# Allegro board ZDRK-36-DE3-A02-20190729.brd (continued)
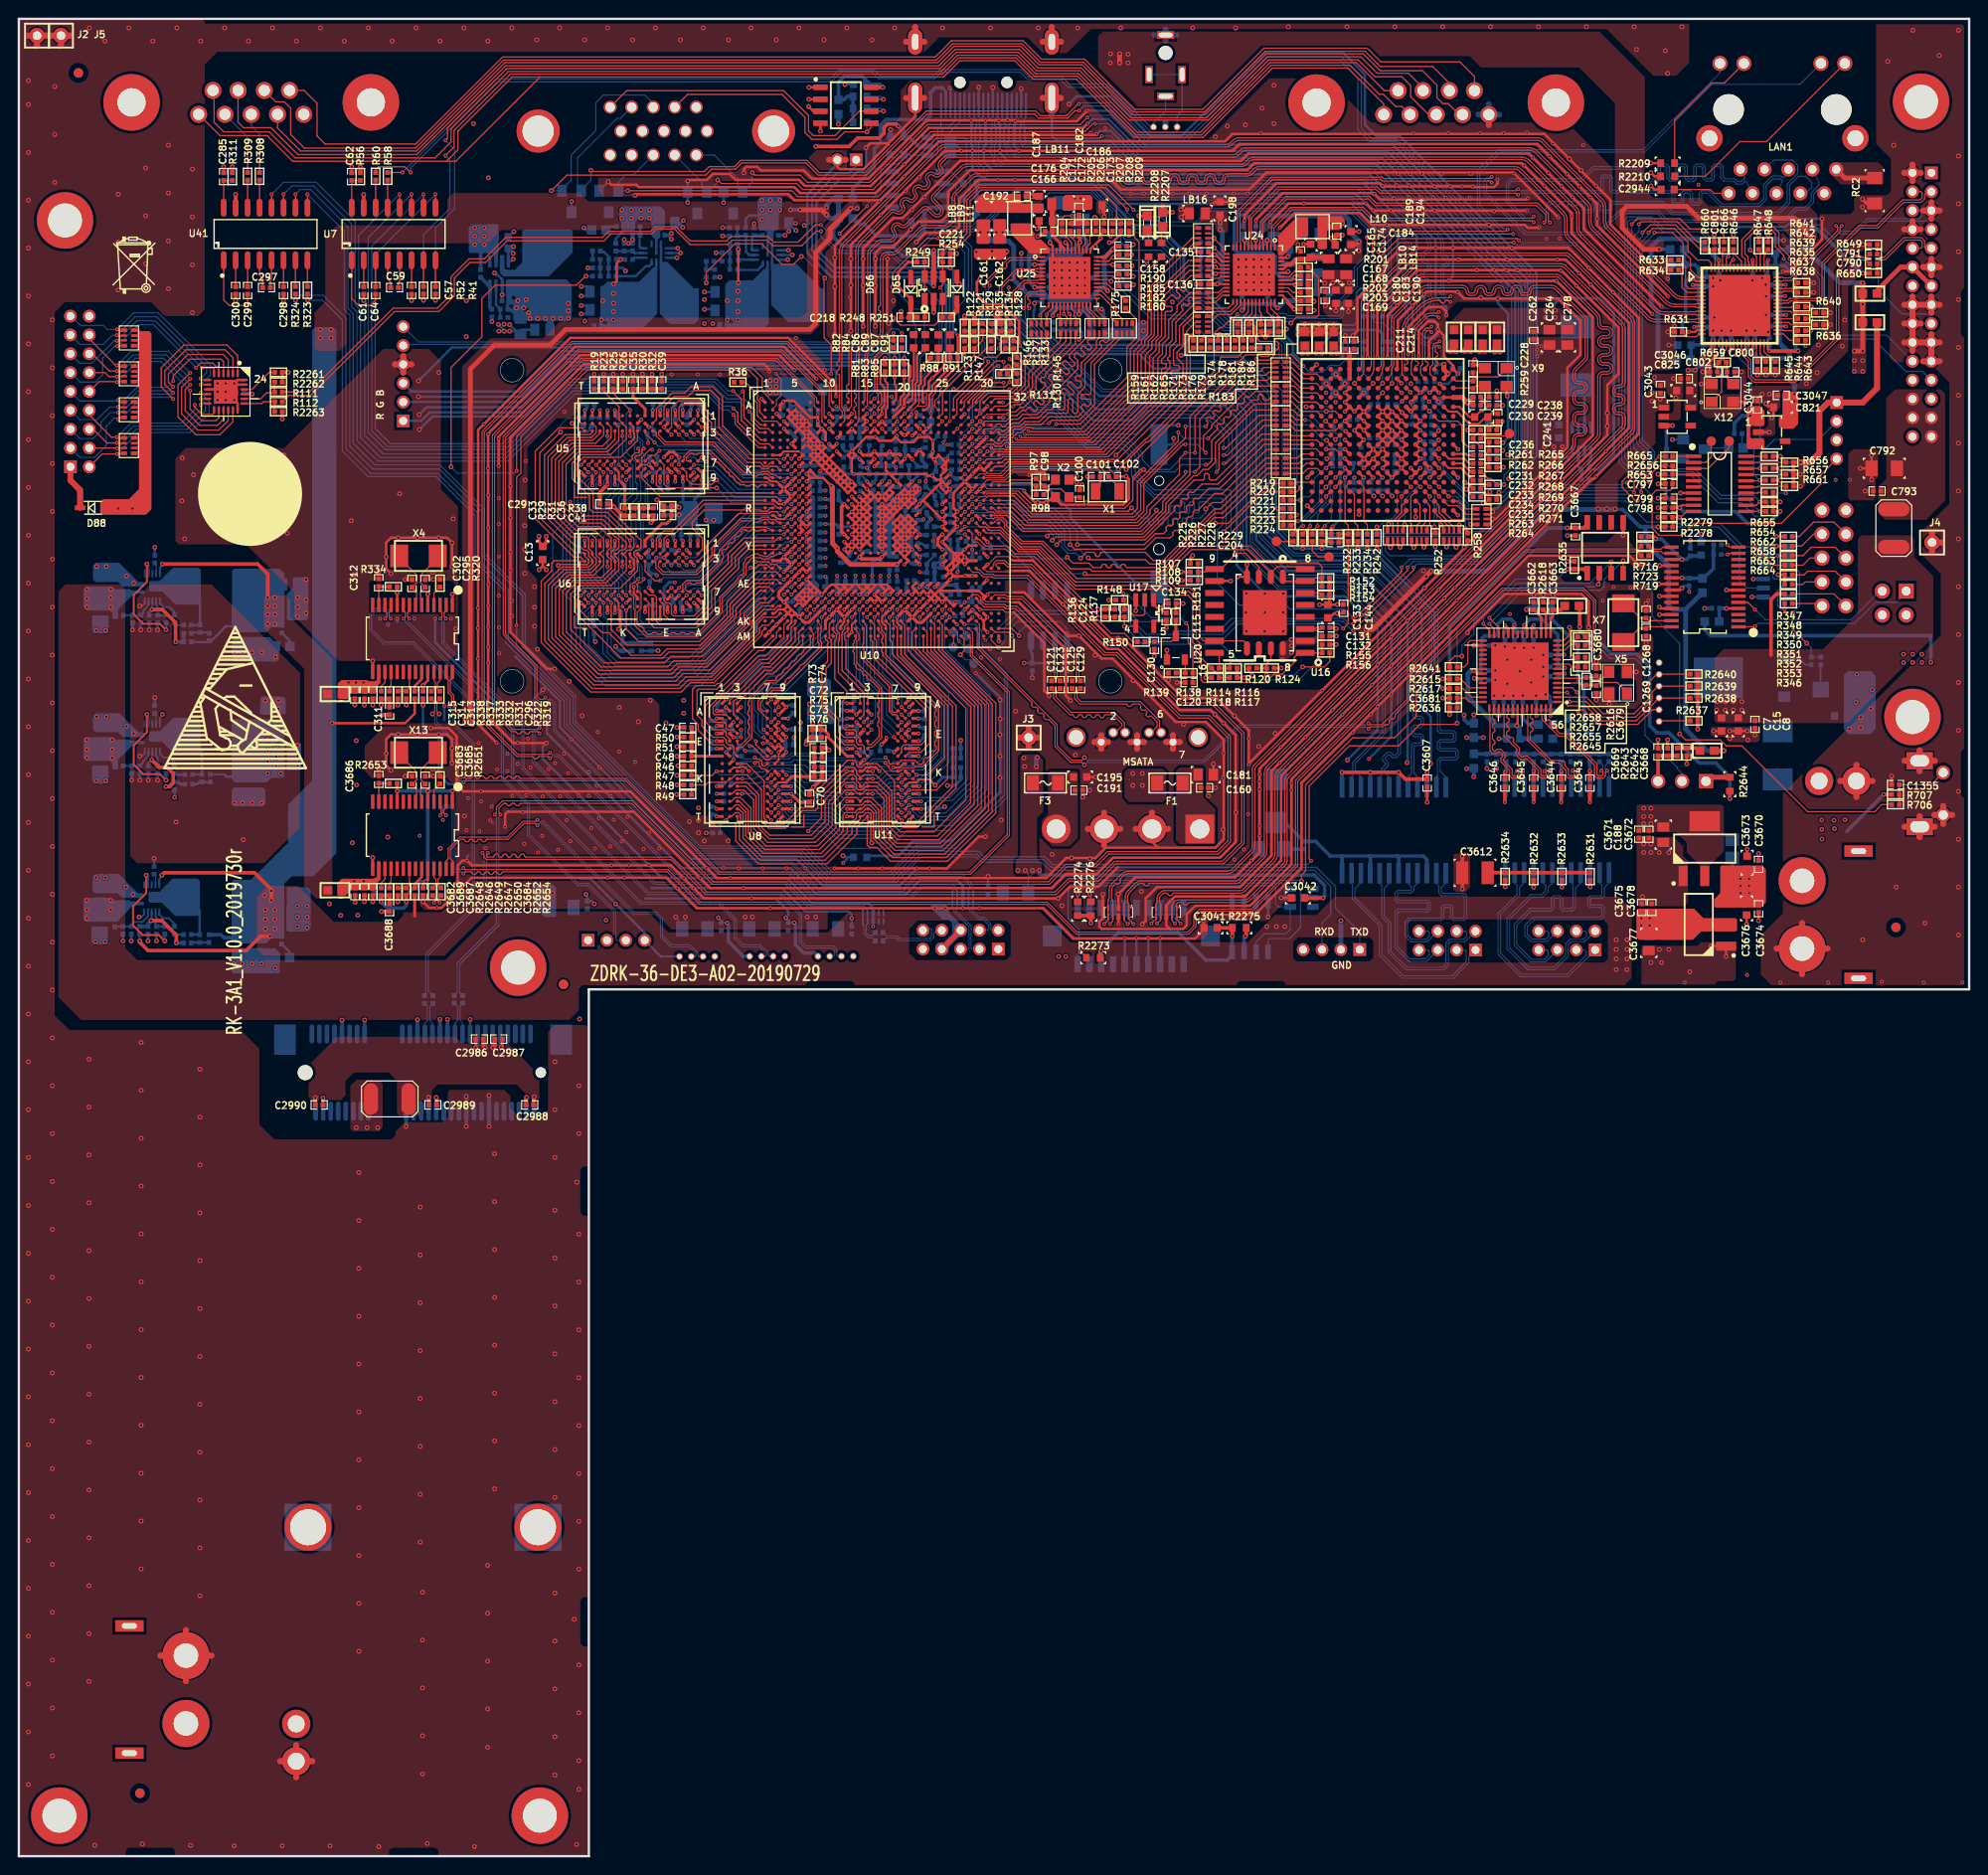
[diagram p0: board, top side]
## Routing (per net, layer and track width the routed paths; a pad name or vN(x,y) marks a point on that pad's centre or on a via; arc(x,y) is an arc through that point) (continued)
HDMI_B_TXC+: length 132.1
  TOP w0.114: U32.B9 145.6,157.16 arc(145.68,157.28) 145.71,157.43 145.71,157.84 arc(145.72,157.89) 145.75,157.93 145.83,158.01 arc(145.91,158.14) 145.94,158.29 145.94,162.88 arc(146,163.17) 146.17,163.42 149.02,166.27 arc(149.21,166.4) 149.44,166.45 153.26,166.45 arc(153.5,166.35) 153.6,166.1 arc(153.74,165.77) 154.07,165.63 154.35,165.63 arc(154.68,165.77) 154.82,166.1 arc(155.16,166.45) 155.51,166.1 arc(155.64,165.77) 155.98,165.63 156.23,165.63 arc(156.56,165.77) 156.7,166.1 arc(157.06,166.46) 157.41,166.1 arc(157.55,165.77) 157.88,165.63 158.14,165.63 arc(158.47,165.77) 158.6,166.1 arc(158.96,166.46) 159.32,166.1 arc(159.45,165.79) 159.76,165.66 160.09,165.66 arc(160.41,165.79) 160.54,166.1 arc(160.64,166.35) 160.88,166.45 162.71,166.45 arc(162.9,166.41) 163.06,166.3 163.06,166.3 166.22,163.14 arc(166.25,163.1) 166.26,163.06 166.26,159.18 arc(166.22,159.03) 166.14,158.9 165.16,157.93 arc(164.99,157.67) 164.93,157.37 164.93,156.85 arc(165.11,156.42) 165.54,156.24 165.89,156.24 arc(166.23,155.9) 165.89,155.55 165.54,155.55 arc(165.11,155.38) 164.93,154.94 164.93,154.6 arc(165.11,154.17) 165.54,153.99 165.89,153.99 arc(166.23,153.65) 165.89,153.31 165.54,153.31 arc(165.11,153.13) 164.93,152.7 164.93,152.31 arc(165.11,151.88) 165.54,151.7 165.84,151.7 arc(166.18,151.35) 165.84,151.01 165.54,151.01 arc(165.11,150.83) 164.93,150.4 164.93,149.77 arc(164.91,149.63) 164.82,149.5 164.74,149.42 164.74,149.42 147.96,132.64 131.11,115.78 arc(130.97,115.58) 130.92,115.35 130.92,107.19 arc(130.87,106.91) 130.71,106.68 128.82,104.79 arc(128.52,104.59) 128.17,104.52 117.74,104.52 arc(117.36,104.44) 117.03,104.23 116.02,103.22 arc(115.81,102.89) 115.73,102.51 115.73,101.67 arc(115.72,101.61) 115.68,101.55 115.66,101.53 arc(115.63,101.48) 115.61,101.41 U110.4 U110.5 115.61,99.42 arc(115.6,99.35) 115.56,99.28 v1(115.2,98.93)
  BOTTOM w0.114: v1(115.2,98.93) 115.34,99.07 arc(115.37,99.1) 115.37,99.15 115.37,99.31 arc(115.36,99.38) 115.33,99.43 115,99.75 arc(114.91,99.89) 114.88,100.05 J130.15
HDMI_B_TXC-: length 132.2
  TOP w0.114: v1(115.81,98.93) 116.04,99.15 arc(116.09,99.24) 116.11,99.34 U110.6 U110.3 116.11,101.37 arc(116.1,101.43) 116.06,101.49 116.05,101.5 arc(116.01,101.56) 116,101.63 116,102.51 arc(116.05,102.79) 116.21,103.03 116.38,103.2 arc(116.48,103.24) 116.57,103.2 arc(116.67,103.16) 116.76,103.2 116.9,103.33 arc(116.94,103.43) 116.9,103.52 arc(116.86,103.62) 116.9,103.71 117.22,104.04 arc(117.46,104.2) 117.74,104.25 128.17,104.25 arc(128.63,104.34) 129.01,104.6 130.9,106.49 arc(131.12,106.81) 131.19,107.19 131.19,115.35 arc(131.22,115.48) 131.29,115.6 165.01,149.31 arc(165.15,149.52) 165.2,149.77 165.2,150.4 arc(165.3,150.64) 165.54,150.74 165.84,150.74 arc(166.45,151.35) 165.84,151.96 165.54,151.96 arc(165.3,152.06) 165.2,152.31 165.2,152.7 arc(165.3,152.94) 165.54,153.04 165.89,153.04 arc(166.5,153.65) 165.89,154.26 165.54,154.26 arc(165.3,154.36) 165.2,154.6 165.2,154.94 arc(165.3,155.19) 165.54,155.29 165.89,155.29 arc(166.5,155.9) 165.89,156.51 165.54,156.51 arc(165.3,156.61) 165.2,156.85 165.2,157.37 arc(165.24,157.57) 165.35,157.74 166.33,158.71 arc(166.47,158.93) 166.52,159.18 166.52,163.06 arc(166.49,163.2) 166.41,163.33 163.25,166.49 arc(163,166.65) 162.71,166.71 160.88,166.71 arc(160.45,166.53) 160.27,166.1 arc(160.22,165.98) 160.09,165.93 159.76,165.93 arc(159.63,165.98) 159.58,166.1 arc(158.96,166.73) 158.34,166.1 arc(158.28,165.96) 158.14,165.9 157.88,165.9 arc(157.74,165.96) 157.68,166.1 arc(157.06,166.73) 156.43,166.1 arc(156.37,165.96) 156.23,165.9 155.98,165.9 arc(155.83,165.96) 155.77,166.1 arc(155.16,166.71) 154.55,166.1 arc(154.49,165.96) 154.35,165.9 154.07,165.9 arc(153.93,165.96) 153.87,166.1 arc(153.69,166.53) 153.26,166.71 149.44,166.71 arc(149.11,166.65) 148.83,166.46 145.98,163.61 arc(145.75,163.27) 145.68,162.88 145.68,158.29 arc(145.67,158.24) 145.64,158.2 U32.A9
  BOTTOM w0.114: v1(115.81,98.93) 115.67,99.07 arc(115.65,99.1) 115.64,99.15 115.64,99.31 arc(115.65,99.36) 115.67,99.39 116.06,99.78 arc(116.11,99.86) 116.13,99.96 J130.13
HDMI_TX0N: length 123.1
  TOP w0.114: U10.D13 89.02,152.1 arc(89.12,152.25) 89.15,152.43 89.15,159.27 arc(89.26,159.79) 89.55,160.23 89.99,160.66 arc(90.26,161.07) 90.35,161.55 90.36,161.56 90.36,170.08 arc(90.4,170.25) 90.49,170.4 91.24,171.15 arc(91.4,171.26) 91.59,171.3 92.38,171.3 arc(92.68,171.36) 92.94,171.53 92.97,171.56 arc(93.17,172.04) 92.97,172.52 arc(92.88,172.72) 92.97,172.93 93.05,173.01 arc(93.25,173.09) 93.45,173.01 93.45,173.01 arc(93.89,172.83) 94.32,173.01 96.04,174.73 arc(96.25,174.82) 96.46,174.73 97.03,174.15 arc(97.48,173.97) 97.92,174.15 arc(98.11,174.61) 97.92,175.08 97.21,175.78 arc(97.13,175.98) 97.21,176.18 100.12,179.09 arc(100.38,179.26) 100.69,179.32 129.77,179.32 arc(130.07,179.38) 130.33,179.56 130.66,179.88 arc(130.85,180.01) 131.08,180.06 159.44,180.06 arc(159.84,179.98) 160.18,179.76 165.23,174.7 arc(165.32,174.56) 165.35,174.41 165.35,172.75 arc(165.43,172.35) 165.66,172 173.62,164.05 arc(174.08,163.74) 174.62,163.63 177.97,163.63 178.04,163.57 U66.11
HDMI_TX0P: length 123
  TOP w0.114: U10.C13 88.81,153.19 arc(88.8,153.27) 88.75,153.33 88.65,153.44 arc(88.62,153.48) 88.61,153.52 88.61,153.63 arc(88.63,153.69) 88.66,153.75 88.85,153.94 arc(88.88,153.98) 88.89,154.02 88.89,154.14 arc(88.88,154.19) 88.85,154.22 88.76,154.32 arc(88.7,154.4) 88.68,154.5 arc(88.7,154.6) 88.76,154.68 88.85,154.78 arc(88.88,154.81) 88.89,154.86 88.89,155.06 arc(88.88,155.1) 88.85,155.14 88.76,155.23 arc(88.7,155.32) 88.68,155.41 arc(88.7,155.51) 88.76,155.59 88.85,155.69 arc(88.88,155.73) 88.89,155.77 88.89,159.27 arc(89.01,159.89) 89.36,160.42 89.79,160.85 89.8,160.85 arc(90.02,161.17) 90.09,161.55 90.09,161.56 90.09,161.66 90.09,161.67 90.09,170.08 arc(90.15,170.36) 90.31,170.59 91.06,171.34 arc(91.3,171.51) 91.59,171.56 92.38,171.56 arc(92.58,171.6) 92.75,171.72 92.78,171.75 arc(92.9,172.04) 92.78,172.33 92.78,172.33 arc(92.62,172.72) 92.78,173.12 92.86,173.19 arc(93.25,173.36) 93.64,173.19 arc(93.89,173.09) 94.13,173.19 95.85,174.92 arc(96.25,175.08) 96.65,174.92 97.22,174.34 arc(97.48,174.24) 97.73,174.34 arc(97.84,174.61) 97.73,174.89 97.03,175.59 arc(96.86,175.98) 97.03,176.37 99.93,179.28 arc(100.28,179.51) 100.69,179.59 129.77,179.59 arc(129.97,179.63) 130.14,179.75 130.47,180.07 arc(130.75,180.26) 131.08,180.33 159.44,180.33 arc(159.94,180.23) 160.36,179.95 165.42,174.89 arc(165.57,174.67) 165.62,174.41 165.62,172.75 arc(165.68,172.45) 165.85,172.19 173.81,164.24 arc(174.18,163.99) 174.62,163.9 177.97,163.9 178.04,163.97 U66.10
HDMI_TX1N: length 123
  TOP w0.114: U66.9 178.04,164.37 177.97,164.43 175.78,164.43 arc(175.19,164.55) 174.68,164.89 166.99,172.58 arc(166.71,173) 166.61,173.5 166.61,174.77 arc(166.55,175.09) 166.36,175.37 160.89,180.84 arc(160.67,180.99) 160.41,181.04 130.27,181.04 arc(130.01,180.99) 129.78,180.84 129.5,180.56 arc(129.22,180.37) 128.89,180.3 98.83,180.3 arc(98.56,180.25) 98.34,180.1 97.95,179.71 arc(97.85,179.47) 97.94,179.23 arc(98.1,178.86) 97.95,178.49 97.82,178.37 arc(97.45,178.21) 97.08,178.36 arc(96.6,178.36) 96.6,177.87 arc(96.74,177.53) 96.6,177.19 96.42,177.01 arc(96.08,176.87) 95.73,177.01 arc(95.25,177.01) 95.25,176.53 arc(95.39,176.2) 95.25,175.87 95.04,175.66 arc(94.72,175.52) 94.39,175.66 94.39,175.66 arc(93.9,175.66) 93.9,175.18 arc(94.03,174.88) 93.9,174.57 93.72,174.4 arc(93.51,174.28) 93.26,174.3 92.84,174.46 arc(92.82,174.46) 92.8,174.47 92.8,174.47 arc(92.71,174.45) 92.64,174.4 89.43,171.2 89.43,171.2 arc(89.18,170.82) 89.09,170.37 89.09,161.47 arc(89,161.04) 88.75,160.67 88.75,160.66 88.49,160.41 arc(88.4,160.27) 88.37,160.11 88.37,154.43 arc(88.37,154.4) 88.37,154.38 arc(88.36,154.38) 88.36,154.38 88.37,153.96 arc(88.35,153.85) 88.29,153.77 U10.B12
HDMI_TX1P: length 123.1
  TOP w0.114: U10.A12 88.07,154.34 arc(88.09,154.38) 88.1,154.43 88.1,154.65 arc(88.1,154.65) 88.1,154.66 arc(88.06,154.74) 87.98,154.77 87.97,154.77 arc(87.89,154.8) 87.86,154.88 87.86,155.11 arc(87.89,155.19) 87.97,155.23 87.98,155.23 arc(88.07,155.26) 88.1,155.34 88.1,155.57 arc(88.07,155.65) 87.98,155.68 87.97,155.68 arc(87.89,155.72) 87.86,155.8 87.86,156.03 arc(87.89,156.11) 87.97,156.14 87.98,156.14 arc(88.07,156.17) 88.1,156.25 88.1,160.11 arc(88.15,160.38) 88.3,160.6 88.57,160.86 88.57,160.86 arc(88.76,161.14) 88.82,161.47 88.82,170.37 arc(88.93,170.92) 89.25,171.38 92.45,174.59 arc(92.61,174.7) 92.8,174.73 92.8,174.73 arc(92.87,174.73) 92.93,174.71 93.36,174.55 arc(93.45,174.54) 93.54,174.58 93.71,174.76 arc(93.76,174.88) 93.71,174.99 arc(93.71,175.85) 94.58,175.85 94.58,175.85 arc(94.72,175.79) 94.85,175.85 95.06,176.06 arc(95.12,176.2) 95.06,176.34 arc(95.06,177.2) 95.92,177.2 96.18,177.2 arc(96.23,177.21) 96.26,177.23 96.41,177.38 arc(96.47,177.53) 96.41,177.69 arc(96.41,178.55) 97.27,178.55 arc(97.45,178.48) 97.63,178.55 97.63,178.55 97.76,178.68 arc(97.83,178.86) 97.75,179.04 97.75,179.04 arc(97.58,179.47) 97.76,179.9 98.15,180.29 arc(98.46,180.5) 98.83,180.57 128.89,180.57 arc(129.12,180.61) 129.31,180.74 129.59,181.03 arc(129.9,181.23) 130.27,181.31 160.41,181.31 arc(160.77,181.23) 161.08,181.03 166.55,175.56 arc(166.79,175.2) 166.88,174.77 166.88,173.5 arc(166.96,173.1) 167.18,172.77 174.87,165.08 arc(175.29,164.8) 175.78,164.7 177.97,164.7 178.04,164.77 U66.8
HDMI_TX2N: length 123.1
  TOP w0.114: U66.7 178.04,165.17 177.97,165.23 176.53,165.23 arc(176.04,165.33) 175.61,165.62 168.49,172.74 arc(168.25,173.09) 168.17,173.5 168.17,175.07 arc(168.11,175.37) 167.94,175.62 161.65,181.91 arc(161.45,182.05) 161.22,182.09 129.54,182.09 arc(129.23,182.03) 128.98,181.86 128.82,181.7 arc(128.48,181.47) 128.08,181.39 98.39,181.39 arc(98.08,181.33) 97.82,181.16 87.67,171.01 arc(87.43,170.65) 87.35,170.24 87.35,153.79 arc(87.36,153.75) 87.38,153.71 87.57,153.53 arc(87.63,153.43) 87.66,153.32 87.66,152.41 arc(87.64,152.34) 87.6,152.28 U10.D11
HDMI_TX2P: length 123.3
  TOP w0.114: U66.6 178.04,165.57 177.97,165.5 176.53,165.5 arc(176.14,165.58) 175.8,165.8 168.68,172.93 arc(168.5,173.19) 168.44,173.5 168.44,175.07 arc(168.36,175.47) 168.13,175.81 161.84,182.1 arc(161.55,182.29) 161.22,182.36 129.54,182.36 arc(129.13,182.28) 128.79,182.05 128.63,181.89 arc(128.38,181.72) 128.08,181.66 98.39,181.66 arc(97.98,181.58) 97.63,181.35 87.48,171.19 arc(87.19,170.76) 87.08,170.24 87.08,158.77 arc(87.05,158.69) 86.97,158.65 arc(86.86,158.61) 86.82,158.5 86.82,158.35 arc(86.86,158.24) 86.97,158.2 arc(87.05,158.16) 87.08,158.08 87.08,157.85 arc(87.05,157.77) 86.97,157.74 arc(86.86,157.69) 86.82,157.59 86.82,157.43 arc(86.86,157.33) 86.97,157.28 arc(87.05,157.25) 87.08,157.17 87.08,153.71 arc(87.1,153.64) 87.14,153.58 87.36,153.36 arc(87.38,153.33) 87.39,153.28 87.39,152.92 arc(87.38,152.87) 87.36,152.83 U10.C11
HDMI_TXCN: length 123.2
  TOP w0.114: U66.13 178.04,162.77 177.97,162.83 173.69,162.83 arc(173.22,162.93) 172.83,163.19 164.4,171.62 arc(164.16,171.98) 164.07,172.41 164.07,173.65 arc(164,174.03) 163.78,174.34 159.32,178.81 arc(159.06,178.98) 158.76,179.04 131.64,179.04 arc(131.44,179) 131.27,178.89 130.93,178.56 arc(130.66,178.37) 130.33,178.31 128.36,178.31 arc(128.11,178.21) 128.01,177.97 128.01,177.86 arc(127.88,177.55) 127.57,177.42 127.34,177.42 arc(126.95,177.58) 126.79,177.97 arc(126.45,178.31) 126.11,177.97 126.11,177.86 arc(125.98,177.55) 125.66,177.42 125.43,177.42 arc(125.05,177.58) 124.89,177.97 arc(124.55,178.31) 124.2,177.97 124.2,177.86 arc(124.07,177.55) 123.76,177.42 123.53,177.42 arc(123.14,177.58) 122.98,177.97 arc(122.64,178.31) 122.3,177.97 122.3,177.86 arc(122.17,177.55) 121.85,177.42 121.62,177.42 arc(121.24,177.58) 121.08,177.97 arc(120.74,178.31) 120.39,177.97 120.39,177.86 arc(120.26,177.55) 119.95,177.42 119.72,177.42 arc(119.33,177.58) 119.17,177.97 arc(118.83,178.31) 118.49,177.97 118.49,177.86 arc(118.36,177.55) 118.04,177.42 117.75,177.42 arc(117.41,177.56) 117.27,177.9 117.27,177.97 arc(117.17,178.21) 116.93,178.31 101.7,178.31 arc(101.47,178.26) 101.27,178.13 99.48,176.34 arc(99.36,176.16) 99.31,175.94 99.31,173.84 arc(99.26,173.58) 99.11,173.36 98.85,173.1 arc(98.53,172.88) 98.16,172.81 96.2,172.81 arc(95.97,172.76) 95.77,172.63 93.37,170.23 arc(93.07,170.03) 92.72,169.96 92.13,169.96 arc(92.02,169.94) 91.92,169.87 91.87,169.83 arc(91.75,169.65) 91.71,169.45 91.71,161.85 91.71,161.84 arc(91.58,161.23) 91.24,160.71 90.39,159.85 arc(90.14,159.49) 90.06,159.06 90.07,159.06 90.07,154.06 arc(90.04,153.95) 89.99,153.86 U10.B14
HDMI_TXCP: length 123.2
  TOP w0.114: U66.12 178.04,163.17 177.97,163.1 173.69,163.1 arc(173.32,163.17) 173.02,163.38 164.59,171.81 arc(164.4,172.08) 164.34,172.41 164.34,173.65 arc(164.24,174.13) 163.97,174.53 159.5,179 arc(159.16,179.23) 158.76,179.31 131.64,179.31 arc(131.33,179.25) 131.08,179.08 130.74,178.74 arc(130.55,178.62) 130.33,178.57 128.36,178.57 arc(127.92,178.4) 127.75,177.97 127.75,177.86 arc(127.69,177.74) 127.57,177.69 127.34,177.69 arc(127.14,177.77) 127.06,177.97 arc(126.45,178.57) 125.84,177.97 125.84,177.86 arc(125.79,177.74) 125.66,177.69 125.43,177.69 arc(125.24,177.77) 125.15,177.97 arc(124.55,178.57) 123.94,177.97 123.94,177.86 arc(123.88,177.74) 123.76,177.69 123.53,177.69 arc(123.33,177.77) 123.25,177.97 arc(122.64,178.57) 122.03,177.97 122.03,177.86 arc(121.98,177.74) 121.85,177.69 121.62,177.69 arc(121.43,177.77) 121.34,177.97 arc(120.74,178.57) 120.13,177.97 120.13,177.86 arc(120.07,177.74) 119.95,177.69 119.72,177.69 arc(119.52,177.77) 119.44,177.97 arc(118.83,178.57) 118.22,177.97 118.22,177.86 arc(118.17,177.74) 118.04,177.69 117.75,177.69 arc(117.6,177.75) 117.53,177.9 117.53,177.97 arc(117.36,178.4) 116.93,178.57 101.7,178.57 arc(101.36,178.51) 101.08,178.32 99.29,176.53 arc(99.11,176.26) 99.05,175.94 99.05,173.84 arc(99.02,173.68) 98.92,173.55 98.66,173.28 arc(98.43,173.13) 98.16,173.08 96.2,173.08 arc(95.87,173.01) 95.58,172.82 93.18,170.42 arc(92.97,170.28) 92.72,170.23 92.13,170.23 arc(91.91,170.19) 91.73,170.06 91.68,170.02 arc(91.51,169.76) 91.45,169.45 91.45,164.61 arc(91.41,164.53) 91.33,164.5 arc(91.25,164.47) 91.22,164.38 91.22,164.16 arc(91.25,164.08) 91.33,164.04 arc(91.41,164.01) 91.45,163.93 91.45,163.7 arc(91.41,163.62) 91.33,163.58 arc(91.25,163.55) 91.22,163.47 91.22,163.24 arc(91.25,163.16) 91.33,163.13 arc(91.41,163.09) 91.45,163.01 91.45,161.96 91.44,161.95 91.44,161.85 91.45,161.84 arc(91.34,161.33) 91.05,160.89 90.2,160.04 arc(89.9,159.59) 89.8,159.06 89.8,154.53 arc(89.79,154.48) 89.76,154.44 U10.A14
HDMITX_CEC: length 26.3
  TOP w0.127: U33.3 98.05,163.33 R251.2 97.21,162.48 93.6,162.48 92.84,163.25 v2(92.79,163.25) ; U10.D15 v1(90.81,152.29)
  BOTTOM w0.127: v2(92.79,163.25) 94.44,163.25 95.2,162.48 95.2,157.1 94.31,156.21 90.58,156.21 89.66,155.3 89.66,154.03 90.4,153.29 90.4,152.71 v1(90.81,152.29)
HDMITX_HOTPLUG: length 176.2
  TOP w0.127: v1(97.79,166.47) 98.04,166.73 98.04,167.66 U33.4 98.05,169.18 R254.1 C221.1 98.04,170.26 98.43,170.64 99.54,170.64 100.97,172.06 100.97,175.67 102.13,176.83 114.83,176.83 116.51,175.16 116.51,174.07 116.54,174.04 v1(116.54,173.86) ; v1(170.69,145.77) 172.21,147.29 v1(172.97,147.29) 172.97,147.42 v1(174.12,148.56) R665.1 ; R666.1 180.98,172.06 180.34,172.69 177.39,172.69 176.3,173.79 171.78,173.79 v1(171.2,173.2) ; U10.A15 v1(90.81,154.69)
  BOTTOM w0.127: v1(116.54,173.86) 116.69,173.86 118.24,172.31 120.37,172.31 122.86,169.82 122.86,166.12 123.88,165.1 125.7,165.1 128.32,162.48 131.09,162.48 131.83,161.75 133.12,161.75 134.39,160.48 134.39,159 134.98,158.42 134.98,141.05 135.66,140.36 153.95,140.36 154.18,140.59 156.18,140.59 161.14,145.54 170.18,145.54 170.41,145.77 v1(170.69,145.77) ; Q20.1 175.11,148.31 R2562.2 174.14,148.54 v1(174.12,148.56) ; v1(90.81,154.69) 91.54,155.42 94.72,155.42 97.66,158.37 97.66,159.59 97.99,159.92 97.99,166.27 v1(97.79,166.47) ; v1(171.2,173.2) 171.2,172.24 171.07,172.11 171.07,149.07 172.85,147.29 v1(172.97,147.29)
HDMITX_REXT: length 2.5
  TOP w0.305: U10.E14 v1(90.01,151.49)
  BOTTOM w0.381: R399.2 R398.2 89.89,151.61 v1(90.01,151.49)
HDMITX_SCL: length 185.5
  TOP w0.114: U33.1 96.15,164.2 v2(96.14,164.19) ; v2(92.74,166.52) 92.74,168.05 96.39,171.7 v1(97.54,171.7)
  TOP w0.127: U66.59 181.64,169.09 v1(181.97,169.42) ; R248.1 96.15,163.33 96.15,164.2 ; v1(172.21,146.66) 171.45,145.9 v1(171.45,144.75) ; U10.C15 v1(90.81,153.09)
  BOTTOM w0.127: v1(172.21,146.66) 170.46,148.41 170.46,173.63 170.79,173.96 173.35,173.96 174.62,172.69 178.64,172.69 180.9,170.43 181.64,170.43 181.97,170.1 v1(181.97,169.42) ; v1(90.81,153.09) 90.81,153.26 90.04,154.03 90.04,155.17 90.81,155.93 94.44,155.93 95.63,157.12 95.63,159 96.14,159.51 v2(96.14,164.19) 95.07,164.19 v2(92.74,166.52) ; v1(171.45,144.75) 171.3,144.91 161.57,144.91 154.69,138.02 145.52,138.02 145.03,138.51 145.03,139.22 144.5,139.75 135.41,139.75 134.38,140.78 134.38,157.98 133.78,158.57 133.78,160.1 133.43,160.45 131.65,160.45 131.24,160.86 131.24,161.47 130.81,161.9 127.91,161.9 125.32,164.49 123.6,164.49 122.15,165.94 122.15,169.52 121.23,170.43 117.81,170.43 116.97,171.27 116.97,172.49 115.77,173.69 115.77,174.47 113.72,176.53 109.35,176.53 108.38,175.56 105.21,175.56 102.67,173.02 102.01,173.02 101.4,172.42 98.07,172.42 97.54,171.88 v1(97.54,171.7)
HDMITX_SDA: length 178.5
  TOP w0.127: v1(172.21,144.75) 172.21,145.77 v1(172.85,146.41) ; U10.B15 v1(90.81,153.89) ; v1(181.43,169.8) 181.24,169.6 U66.60 ; v1(96.14,170.41) R249.1 96.14,167.69 U33.6 96.14,167.66 96.14,166.55 v1(96.24,166.45)
  BOTTOM w0.127: v1(172.85,146.41) 172.85,146.66 170.76,148.74 170.76,173.46 170.97,173.66 173.23,173.66 174.5,172.39 178.51,172.39 181.1,169.8 v1(181.43,169.8) ; v1(96.24,166.45) 97.69,165 97.69,160.15 97.28,159.74 97.28,158.39 94.56,155.68 91.06,155.68 90.33,154.95 90.33,154.37 v1(90.81,153.89) ; v1(172.21,144.75) 171.75,145.21 161.29,145.21 155.04,138.96 154.58,138.96 153.49,140.06 135.53,140.06 134.7,140.89 134.7,158.14 134.06,158.78 134.06,160.3 133.62,160.74 131.77,160.74 131.53,160.98 131.53,161.61 130.93,162.21 128.11,162.21 125.54,164.78 123.72,164.78 122.48,166.01 122.48,169.7 120.62,171.55 117.47,171.55 117.22,171.81 117.22,172.62 116.08,173.76 116.08,174.53 113.8,176.81 106.09,176.81 102.59,173.3 101.88,173.3 101.24,172.67 97.87,172.67 96.14,170.94 v1(96.14,170.41)
I2C_SCL: length 47.3
  TOP w0.127: R220.1 132.13,144.81 v2(127.89,140.56) ; R130.2 105.92,156.21 105.38,155.68 v1(105.16,155.68) 105.03,155.55 102.69,155.55 101.61,154.47 U10.A29
  TOP w0.254: R221.1 R220.1
  BOTTOM w0.127: v1(105.16,155.68) 107.57,153.26 109.86,153.26 113.31,149.81 117.37,149.81 118.49,148.69 118.49,146.56 120.55,144.5 128.02,144.5 128.14,144.37 128.14,140.82 v2(127.89,140.56)
I2C_SDA: length 50.5
  TOP w0.127: U10.B28 101.24,153.92 101.24,154.53 102.65,155.93 104.65,155.93 v1(105.16,156.44) 105.16,157.1 R131.2 ; R223.1 130.35,142.14 v2(127.89,139.67)
  TOP w0.254: R223.1 R224.1
  BOTTOM w0.127: v2(127.89,139.67) 128.65,140.44 128.65,144.88 128.52,145.01 120.47,145.01 118.87,146.61 118.87,148.82 117.51,150.18 113.45,150.18 110.11,153.52 107.75,153.52 105.97,155.3 105.97,155.78 105.31,156.44 v1(105.16,156.44)
I2S0_SD_RX/I2S2_MCLK: length 46.5
  TOP w0.127: RN75.5 131.03,153.48 127.38,149.83 127.38,147.17 v1(127.13,146.91) ; U10.D28 v1(101.21,152.29)
  BOTTOM w0.127: v1(101.21,152.29) 101.21,153.76 104.34,156.9 105.56,156.9 106.4,156.06 106.4,155.42 108.05,153.77 110.36,153.77 113.59,150.55 117.65,150.55 119.25,148.95 119.25,148.18 120.27,147.17 122.17,147.17 123.32,148.31 127,148.31 127.13,148.18 v1(127.13,146.91)
IO1: length 31.4
  TOP w0.127: v1(10.54,152.5) 10.54,152.56 10.67,152.69 RN80.4 ; v1(16.38,154.66) 15.11,155.93 15.11,157.96 17.53,160.38 22.1,160.38 23.22,159.25 U103.1
  BOTTOM w0.127: v1(16.38,154.66) 16.21,154.84 13.13,154.84 10.92,152.63 10.67,152.63 v1(10.54,152.5) 10.41,152.63 10.13,152.63 9.27,151.76 9.27,149.71 8.01,148.45 6.48,148.45 J127.3
IO2: length 27.4
  TOP w0.127: RN80.3 10.59,153.26 v1(10.54,153.21) ; v1(16.38,155.3) 15.49,156.18 15.49,157.64 17.73,159.88 21.89,159.88 22.72,159.05 U103.2
  BOTTOM w0.127: J127.5 6.48,150.45 7.85,150.45 8.74,151.33 8.74,152.22 9.73,153.21 v1(10.54,153.21) 10.59,153.26 10.92,153.26 12.83,155.17 16.26,155.17 v1(16.38,155.3)
IO3: length 23.9
  TOP w0.127: U103.3 22.22,158.84 21.68,159.38 17.94,159.38 15.88,157.31 15.88,156.44 v1(16.38,155.93) ; v1(10.54,153.8) 10.58,153.76 RN80.2
  BOTTOM w0.127: v1(16.38,155.93) 15.98,155.52 12.67,155.52 10.95,153.8 v1(10.54,153.8) 9.63,153.8 8.28,152.45 6.48,152.45 J127.7
IO4: length 20.9
  TOP w0.127: U103.4 21.72,158.63 21.48,158.88 18.15,158.88 16.38,157.11 v1(16.38,156.57) ; v1(10.54,154.53) 10.74,154.33 RN80.1
  BOTTOM w0.127: v1(16.38,156.57) 15.7,155.88 12.52,155.88 11.18,154.53 v1(10.54,154.53) 10.46,154.45 6.48,154.45 J127.9
IO5: length 23.4
  TOP w0.127: RN81.4 10.47,160.31 v1(10.41,160.25) ; U103.5 21.22,157.82 20.57,158.47 19.3,158.47 v1(18.8,157.96)
  BOTTOM w0.127: v1(18.8,157.96) 18.8,158.01 14.27,162.53 12.7,162.53 v1(10.41,160.25) 10.16,160.25 8.89,158.98 8.89,157.2 8.14,156.45 6.48,156.45 J127.11
IO6: length 20.9
  TOP w0.127: RN81.3 10.46,160.88 v1(10.41,160.83) ; v1(19.43,157.96) 20.59,157.96 20.72,157.84 U103.6
  BOTTOM w0.127: J127.13 6.48,158.45 7.72,158.45 10.11,160.83 v1(10.41,160.83) 12.53,162.95 14.45,162.95 v1(19.43,157.96)
IO7: length 21.4
  TOP w0.127: RN81.2 10.43,161.38 v1(10.39,161.42) ; U103.7 19.45,156.67 v1(19.3,156.82)
  BOTTOM w0.127: J127.15 6.48,160.45 8.96,160.45 9.91,161.39 10.36,161.39 v1(10.39,161.42) 12.35,163.38 14.62,163.38 19.94,158.06 19.94,157.45 v1(19.3,156.82)
IO8: length 22.5
  TOP w0.127: RN81.1 10.49,161.95 v1(10.41,162.03) ; U103.8 v1(19.3,156.17)
  BOTTOM w0.127: J127.17 5.56,163.45 6.56,162.45 8.98,162.45 9.4,162.03 v1(10.41,162.03) 12.18,163.79 14.8,163.79 20.32,158.27 20.32,157.19 v1(19.3,156.17)
IO9: length 19.2
  TOP w0.127: U103.10 19.45,155.17 v1(19.3,155.32) ; RN82.4 10.47,148.88 v1(10.41,148.82) 8.85,148.82 J127.2
  BOTTOM w0.127: v1(19.3,155.32) 20.19,154.43 20.19,153.14 18.14,151.08 12.67,151.08 v1(10.41,148.82)
IO10: length 17
  TOP w0.127: U103.11 v1(19.32,154.67) ; J127.4 10.37,149.45 v1(10.41,149.4) 10.46,149.45 RN82.3
  BOTTOM w0.127: v1(19.32,154.67) 19.81,154.18 19.81,153.39 17.86,151.43 12.45,151.43 v1(10.41,149.4)
IO11: length 16
  TOP w0.127: U103.12 19.45,154.17 v1(19.3,154.03) ; J127.6 7.89,151.45 9.35,149.99 v1(10.39,149.99) 10.43,149.95 RN82.2
  BOTTOM w0.127: v1(19.3,154.03) 19.3,153.52 17.55,151.76 12.17,151.76 v1(10.39,149.99)
IO12: length 18.2
  TOP w0.127: v1(18.67,154.03) 18.67,153.77 19.43,153.01 20.57,153.01 20.72,153.16 U103.13 ; RN82.1 10.49,150.52 v1(10.41,150.6) 9.83,150.6 7.48,152.95 J127.8
  BOTTOM w0.127: v1(18.67,154.03) 18.67,153.52 17.25,152.1 11.91,152.1 v1(10.41,150.6)
IO13: length 20.6
  TOP w0.127: RN83.4 10.47,156.5 v1(10.41,156.44) 10.36,156.5 8.53,156.5 J127.10 ; U103.14 21.22,152.64 20.93,152.35 19.42,152.35 18.19,153.58 v1(18.19,155.52)
  BOTTOM w0.127: v1(18.19,155.52) 15.09,158.62 12.6,158.62 v1(10.41,156.44)
IO14: length 22.6
  TOP w0.127: v1(18.19,156.16) 17.65,155.63 17.65,153.41 19.21,151.85 21.06,151.85 21.72,152.51 U103.15 ; J127.12 9.15,157.45 9.58,157.02 v1(10.41,157.02) 10.46,157.07 RN83.3
  BOTTOM w0.127: v1(18.19,156.16) 15.37,158.98 12.37,158.98 v1(10.41,157.02)
IO15: length 25.3
  TOP w0.127: U103.16 22.22,152.37 21.2,151.35 19.01,151.35 17.27,153.08 17.27,155.88 v1(18.19,156.79) ; RN83.2 10.43,157.57 v1(10.39,157.61) 9.63,157.61 7.79,159.45 J127.14
  BOTTOM w0.127: v1(10.39,157.61) 12.12,159.33 15.65,159.33 v1(18.19,156.79)
IO16: length 28.3
  TOP w0.127: RN83.1 10.49,158.14 v1(10.41,158.22) 10.29,158.22 7.48,161.03 J127.16 ; v1(18.19,157.43) 16.89,156.13 16.89,152.76 18.8,150.85 21.33,150.85 22.72,152.24 U103.17
  BOTTOM w0.127: v1(18.19,157.43) 15.9,159.72 11.91,159.72 v1(10.41,158.22)
JTAG_EN: length 4.6
  TOP w0.127: U10.AK25 v1(98.81,131.49)
  BOTTOM w0.127: R392.2 98.15,134.11 98.73,134.11 R391.1 98.73,133.71 98.63,133.71 98.4,133.48 98.4,132.05 98.81,131.65 98.81,131.5 v1(98.81,131.49)
JTAG_SEL: length 1.5
  TOP w0.127: U10.AJ26 v1(98.81,132.29)
  BOTTOM w0.102: R390.2 99.39,131.71 v1(98.81,132.29)
JTAG_TCK: length 3
  TOP w0.102: v3(99.77,128.96) 99.64,129.08 99.64,129.86 U10.AL26
  BOTTOM w0.102: v3(99.77,128.96) 100.22,128.51 100.44,128.51 100.75,128.21
  BOTTOM w0.127: TP63.1 100.75,128.21
JTAG_TDI: length 1
  TOP w0.102: v3(100.41,129.9) U10.AL27
  BOTTOM w0.102: TP66.1 100.56,129.75 v3(100.41,129.9)
JTAG_TDO: length 0.9
  TOP w0.102: v3(98.79,129.96) 98.46,130.29 U10.AL25
  BOTTOM w0.102: TP65.1 98.86,129.9 v3(98.79,129.96)
JTAG_TMS: length 1
  TOP w0.102: U10.AM26 v3(99.21,128.52)
JTAG_TRSTN: length 4.1
  TOP w0.127: U10.AM27 100.33,129.17 100.33,127.91 v2(99.93,127.51)
  BOTTOM w0.127: v2(99.93,127.51) 100.46,126.98 100.96,126.98 TP62.1
KEY_POWER: length 15.7
  TOP w0.127: v2(188.26,131.93) 188.26,130.23 v2(189.76,128.73) ; R349.2 v1(186.69,138.02)
  BOTTOM w0.127: R27.2 R28.2 190.25,128.24 v2(189.76,128.73) ; v1(186.69,138.02) 186.69,136.7 186.92,136.47 188.77,136.47 189,136.25 189,132.66 v2(188.26,131.93)
KEY_RESET: length 84.4
  TOP w0.127: R148.1 v2(115.7,133.32) ; v1(184.28,138.97) 186.24,137.01 R350.2 ; v1(147.4,136.78) 147.4,136.45 141.73,130.78 v1(141.63,130.78)